# Altium PCB CM5_Adapter.PcbDoc (part 3 of 3)
Units mil, origin at the board's own origin, x right, y up, seen from the top; angles counter-clockwise.
Board outline 2540 x 1690 mil, 4 copper layers (Top Layer, Sig1, Sig2, Bottom Layer), stack 50.112 mil thick; 53 components, 281 nets, 1198 pads, 240 vias.
Unrouted connection lines stored in the file: 25.
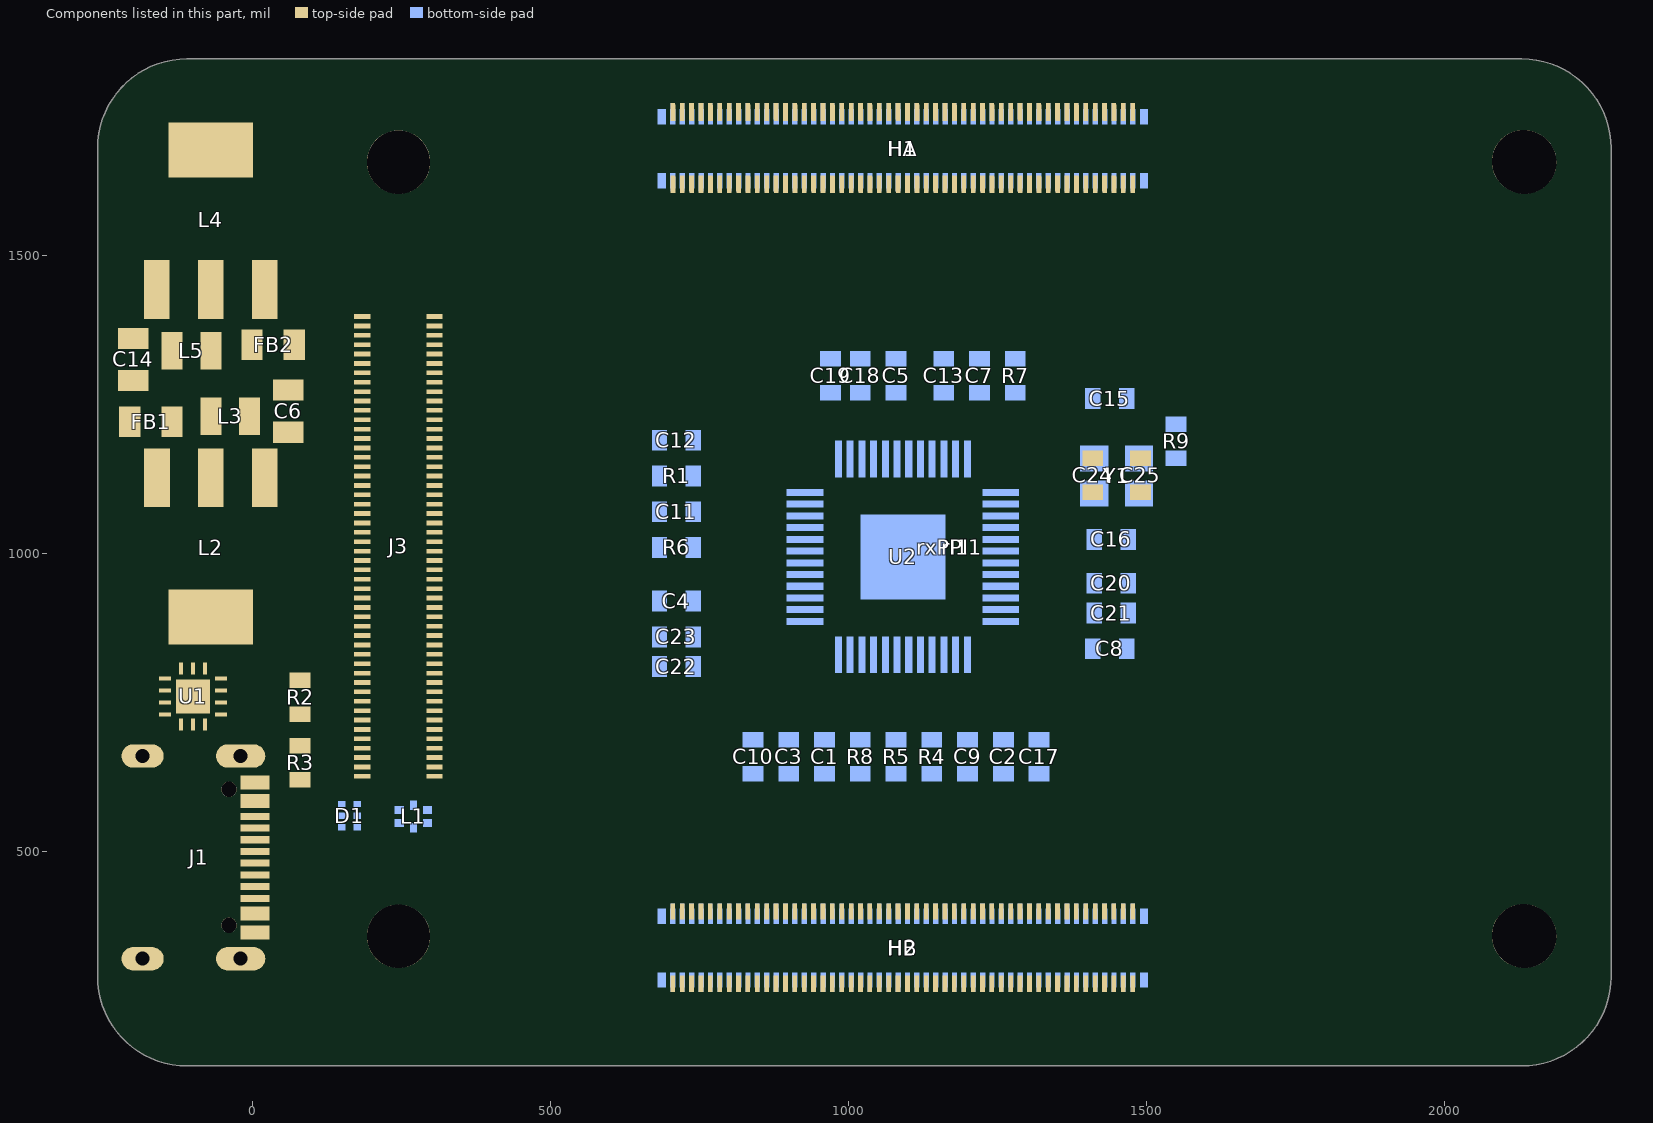
[diagram p5: the components of this part, seen from the top]

## Polygon pours and split planes (outlines as drawn) (continued)
3.3VDC on Sig1 "NONET_L01_P-001" (solid, remove dead copper, pour order 6): 1410,1390 1580,1220 1580,770 1410,600 844,600 662,782 662,1220 670,1220 840,1390
GND on Sig1 "NONET_L01_P-001" (solid, remove dead copper, pour order 8): -110,1830 2130,1830 cw(c2130,1680) 2280,1680 2280,290 cw(c2130,290) 2130,140 -110,140 cw(c-110,290) -260,290 -260,1680 cw(c-110,1680)
GND on Top Layer "NONET_L01_P-001" (solid, remove dead copper, pour order 5): -110,1830 2130,1830 cw(c2130,1680) 2280,1680 2280,290 cw(c2130,290) 2130,140 -110,140 cw(c-110,290) -260,290 -260,1680 cw(c-110,1680)

## Keep-outs
Keep-Out Layer:
  the board outline again, w10

## Other copper
Top Layer:
  rectangle net GND: 1020.16,922.91 1162.68,1065.43
Sig1:
  rectangle net GND: 1020.16,922.91 1162.68,1065.43
Sig2:
  rectangle net GND: 1020.16,922.91 1162.68,1065.43
  rectangle net 5VDC_BUS: 500,1720 802.13,1760
Bottom Layer:
  rectangle net GND: 1020.16,922.91 1162.68,1065.43
  rectangle net 5VDC_BUS: 500,1719.54 620,1759.28

## Silkscreen, mask and mechanical layers (free items; w line width, h text height)
Top Overlay:
  drawing of 7 lines, arcs and shapes, not listed
  text "radxa/pi CM5 / INTERPOSER / Rev X4" at 662.74,561.94 h35 r90

## Text inside footprints (layer, text, board x,y; h text height)
rPI1: Bottom Overlay "U-A" at 1593.47,1747.84 h41.34 r90; Bottom Overlay "U-B" at 1593.47,394.76 h41.34 r90
rxPI1: Top Overlay "U-A" at 1598.47,1628.84 h41.34 r90; Top Overlay "U-B" at 1598.47,275.76 h41.34 r90; Top Overlay "U-C" at 379.56,960.97 h41.34 r90